# Altium PCB openmv-ae3.PcbDoc (part 1 of 3)
Units mil, origin at the board's own origin, x right, y up, seen from the top; angles counter-clockwise.
Board outline 1000 x 1000 mil, 10 copper layers (Top, 2-GND, 3-H, L4-V, L5-H, L6-V, L7-PWR, L8-SIG, L9-GND, Bottom), stack 47.481 mil thick; 230 components, 156 nets, 939 pads, 483 vias.
Unrouted connection lines stored in the file: 1.
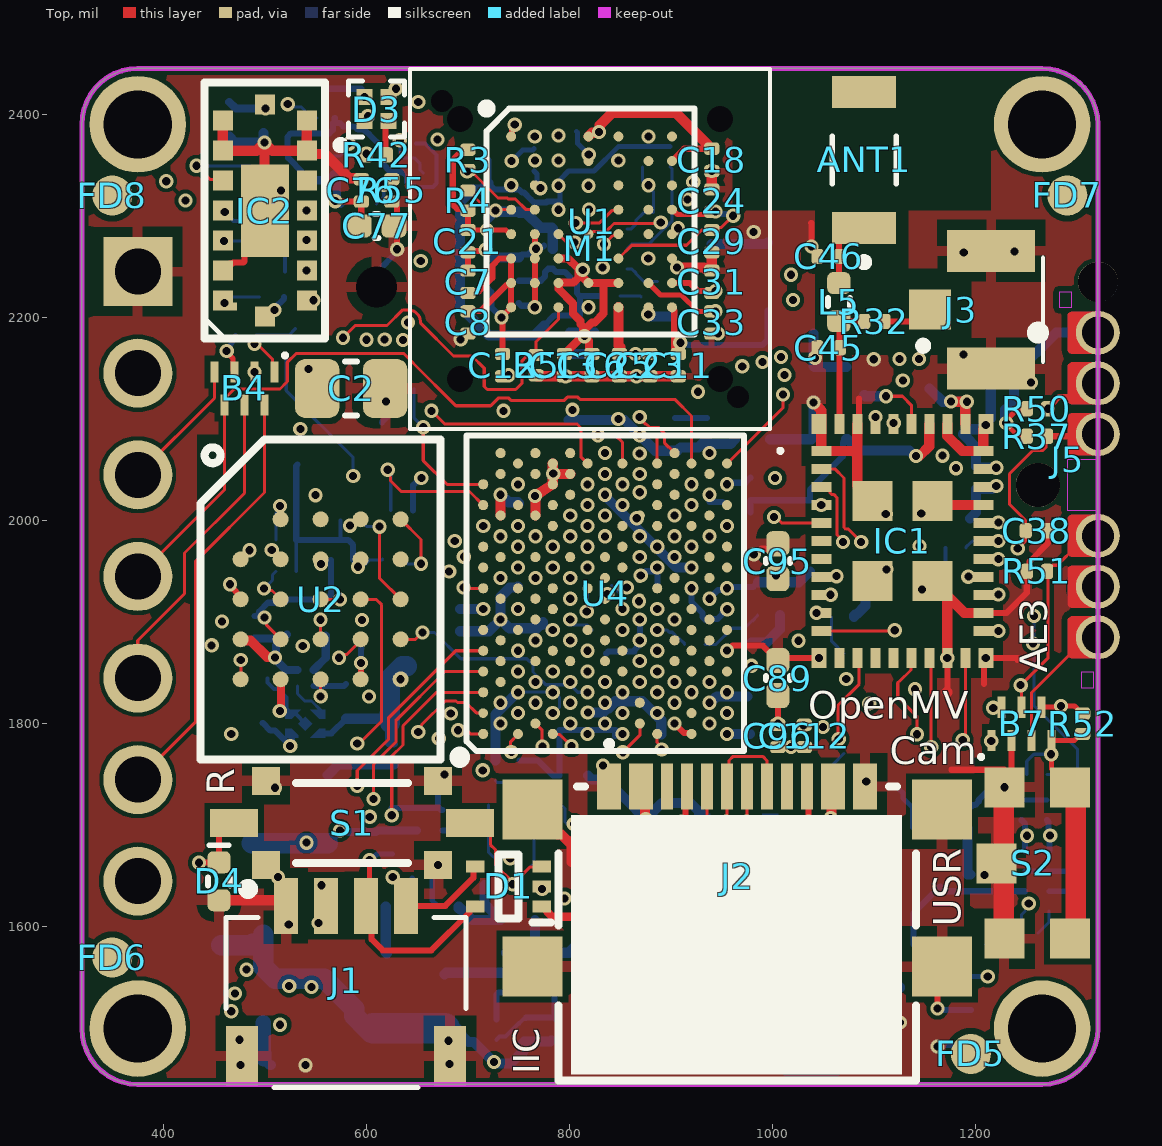
[diagram p0: Top view]
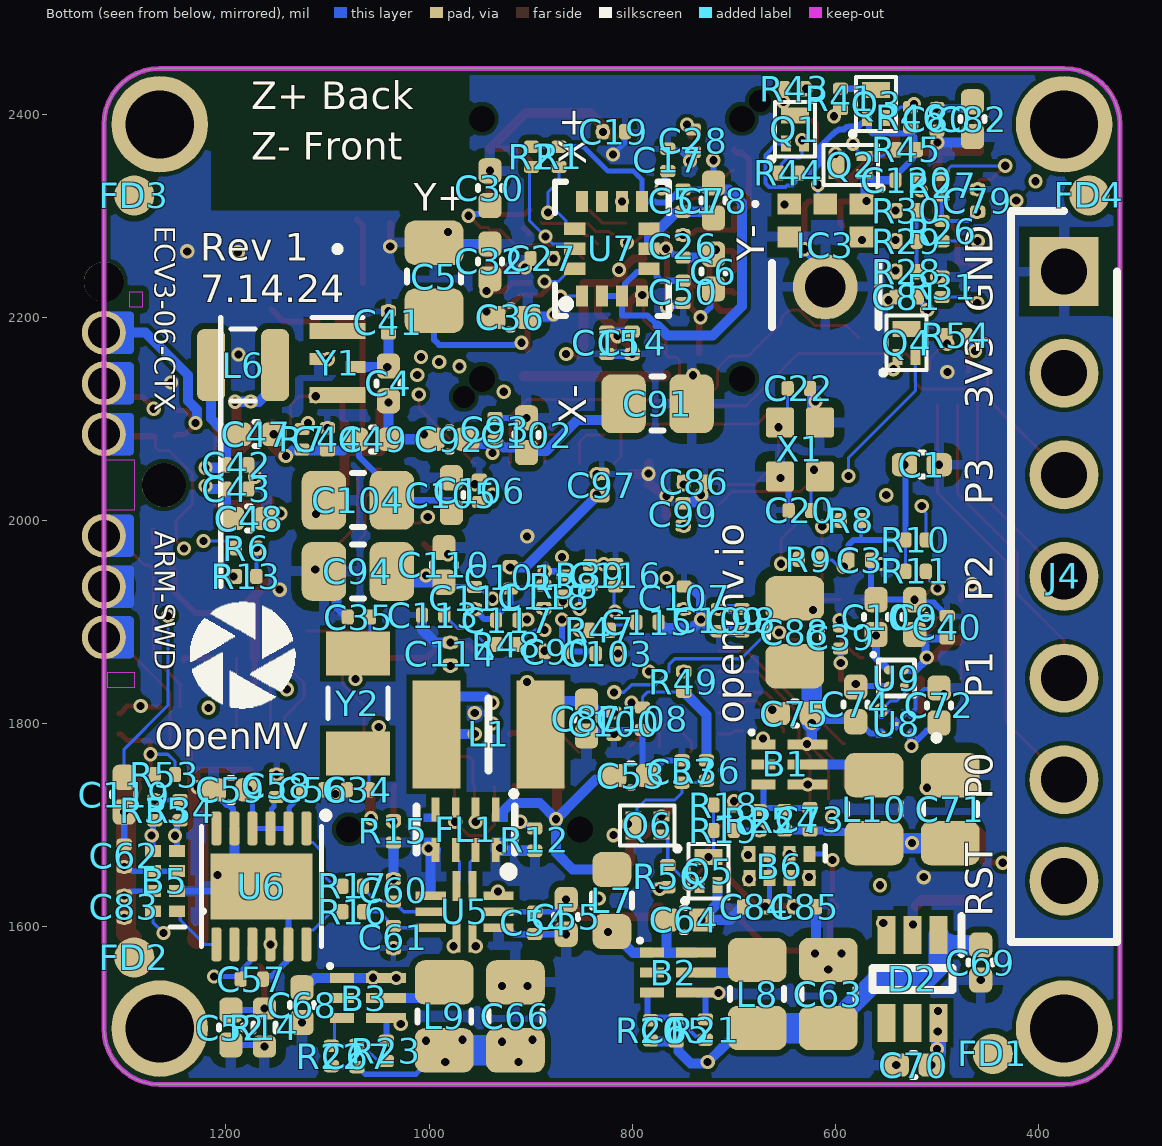
[diagram p1: Bottom view, seen from below]
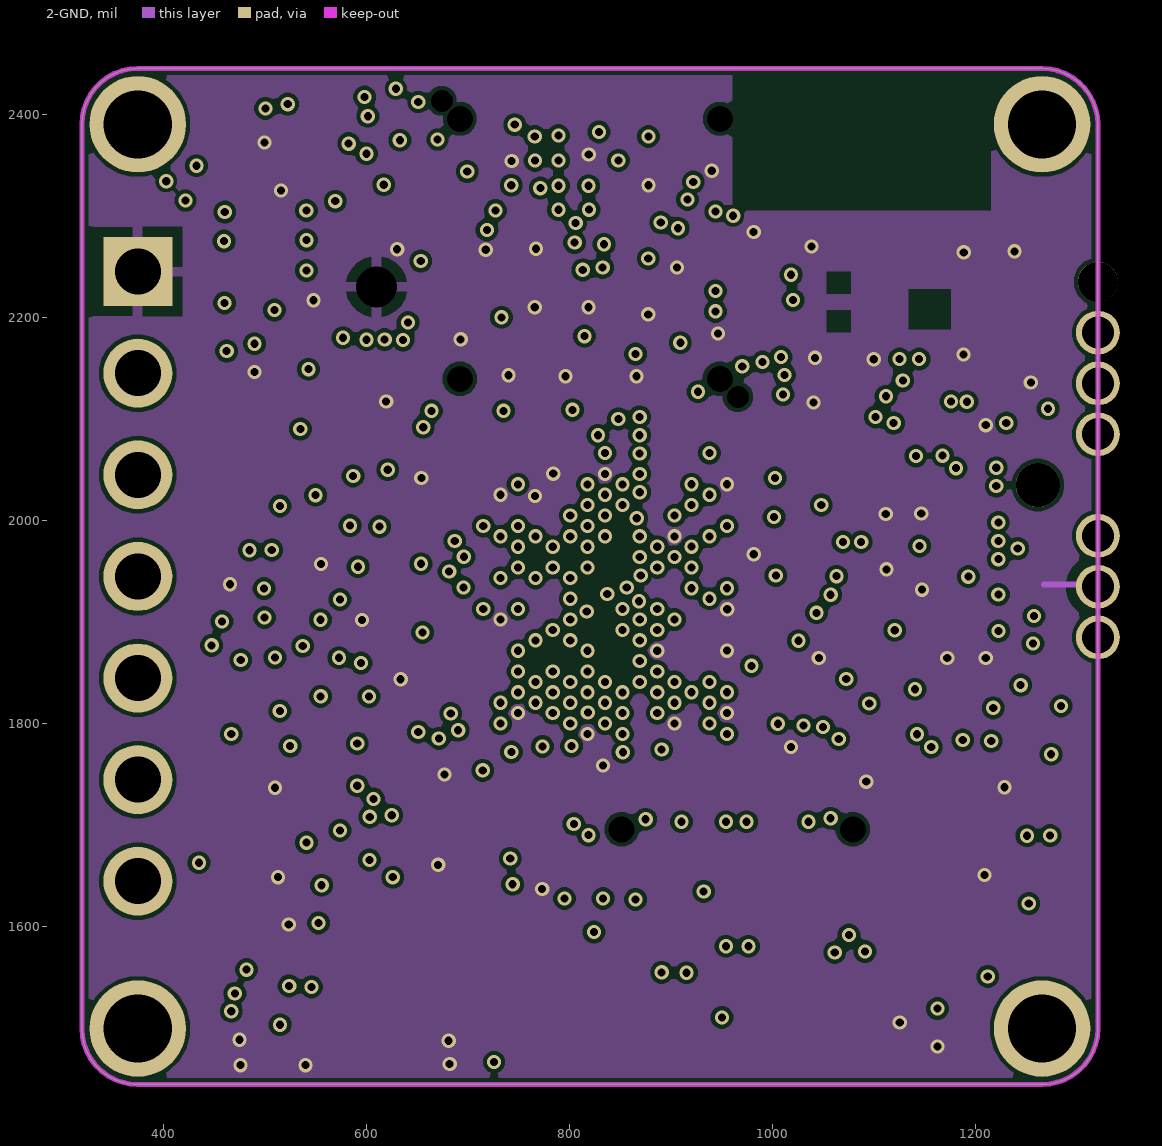
[diagram p2: 2-GND]
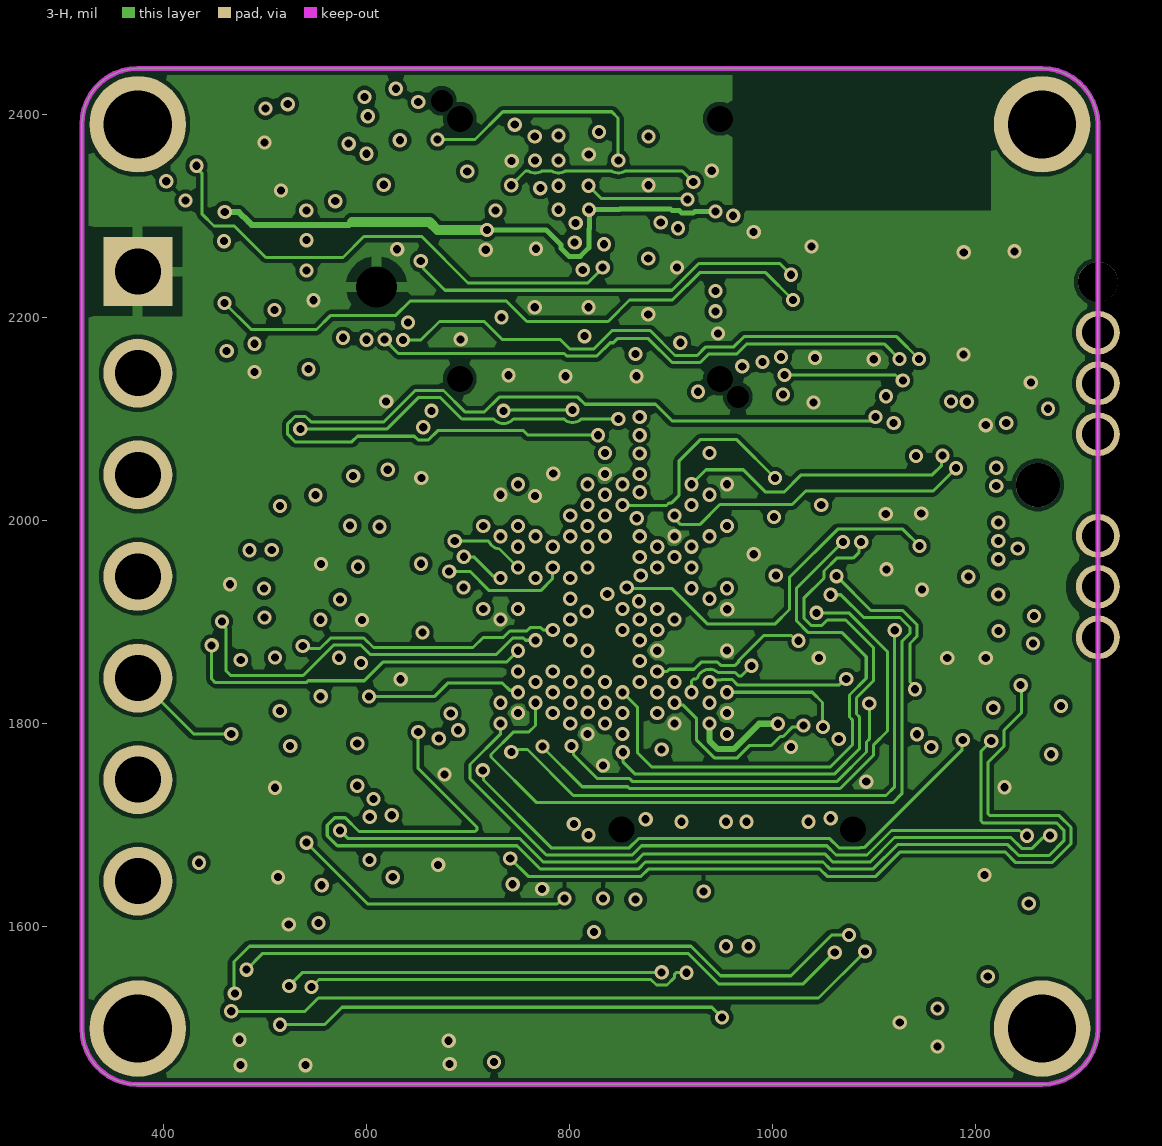
[diagram p3: 3-H]
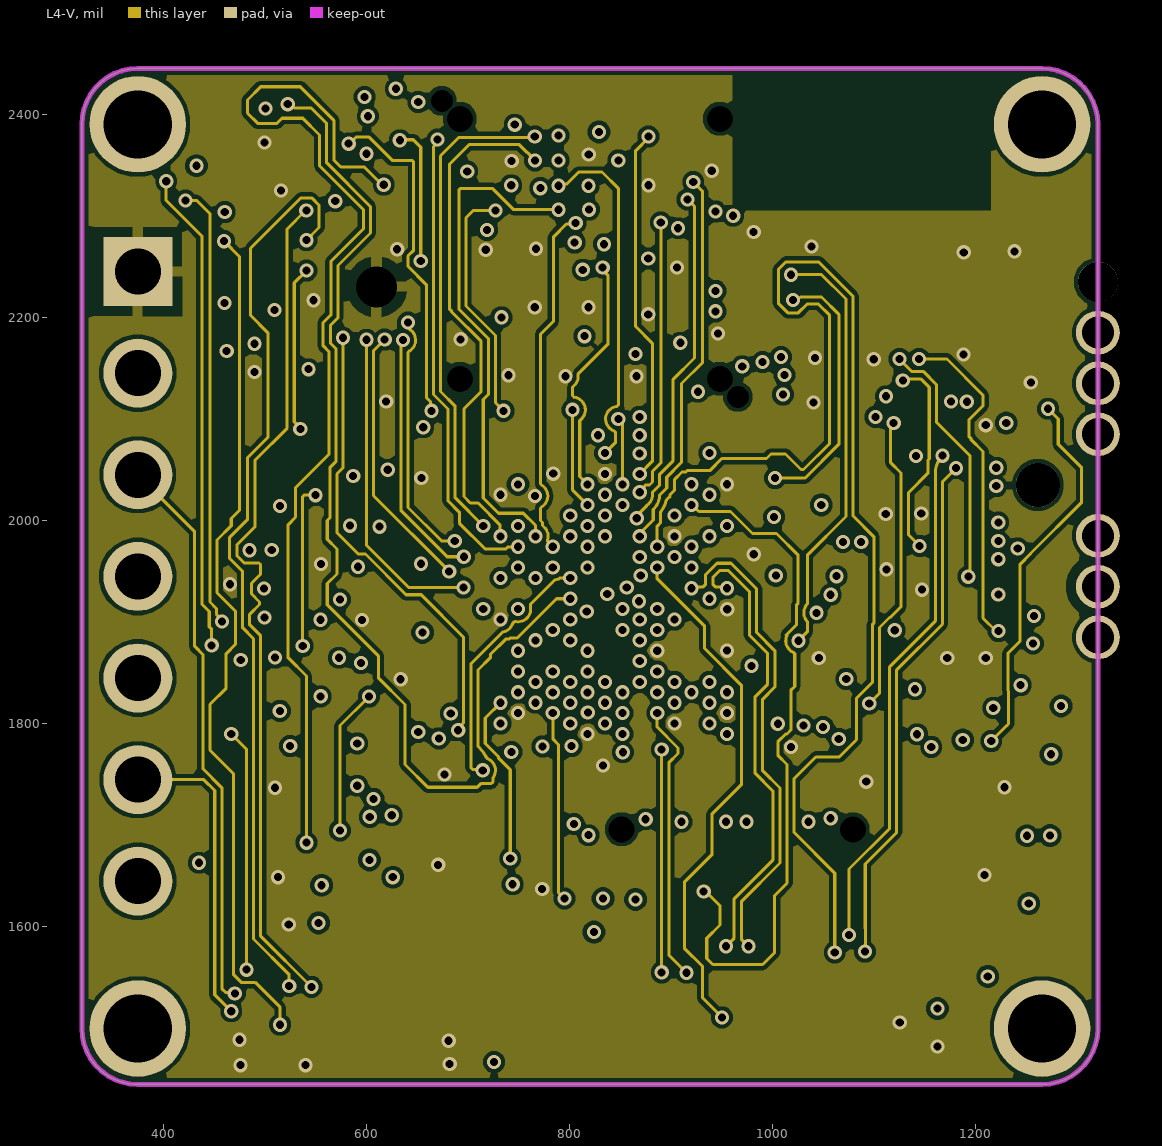
[diagram p4: L4-V]
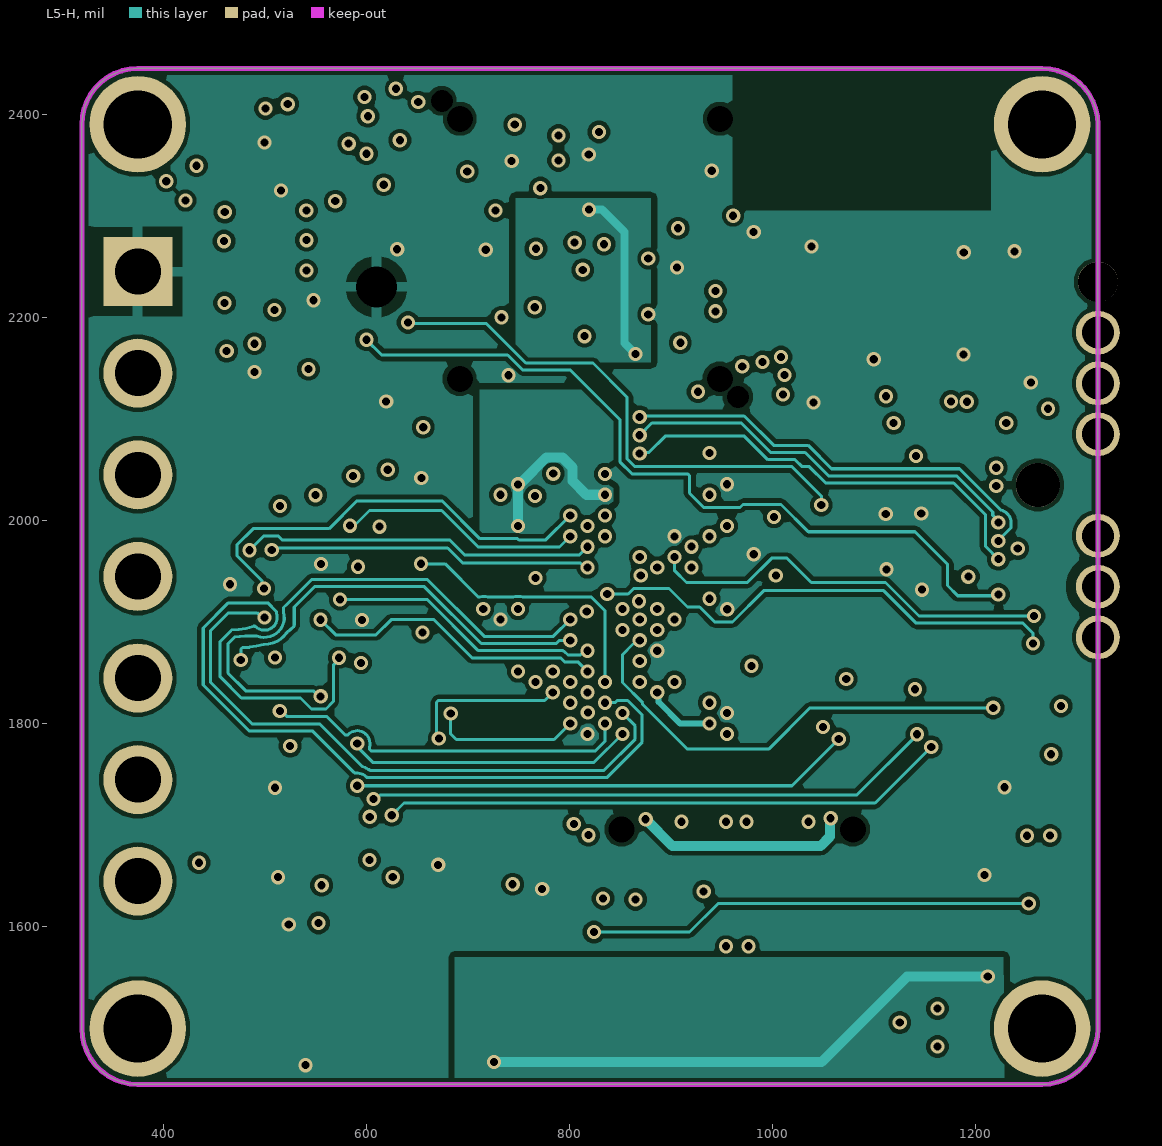
[diagram p5: L5-H]
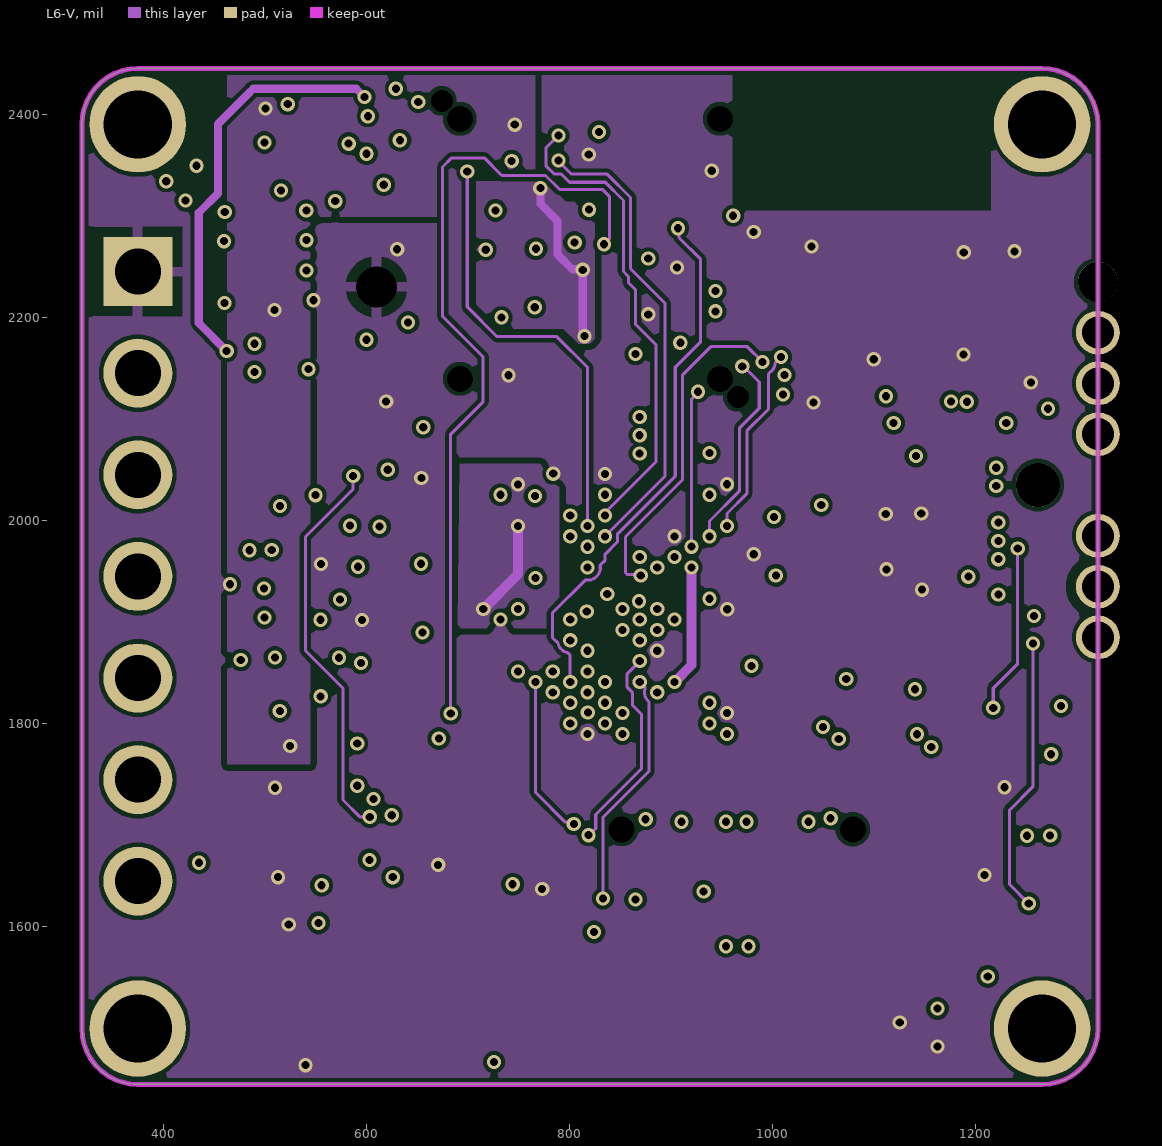
[diagram p6: L6-V]
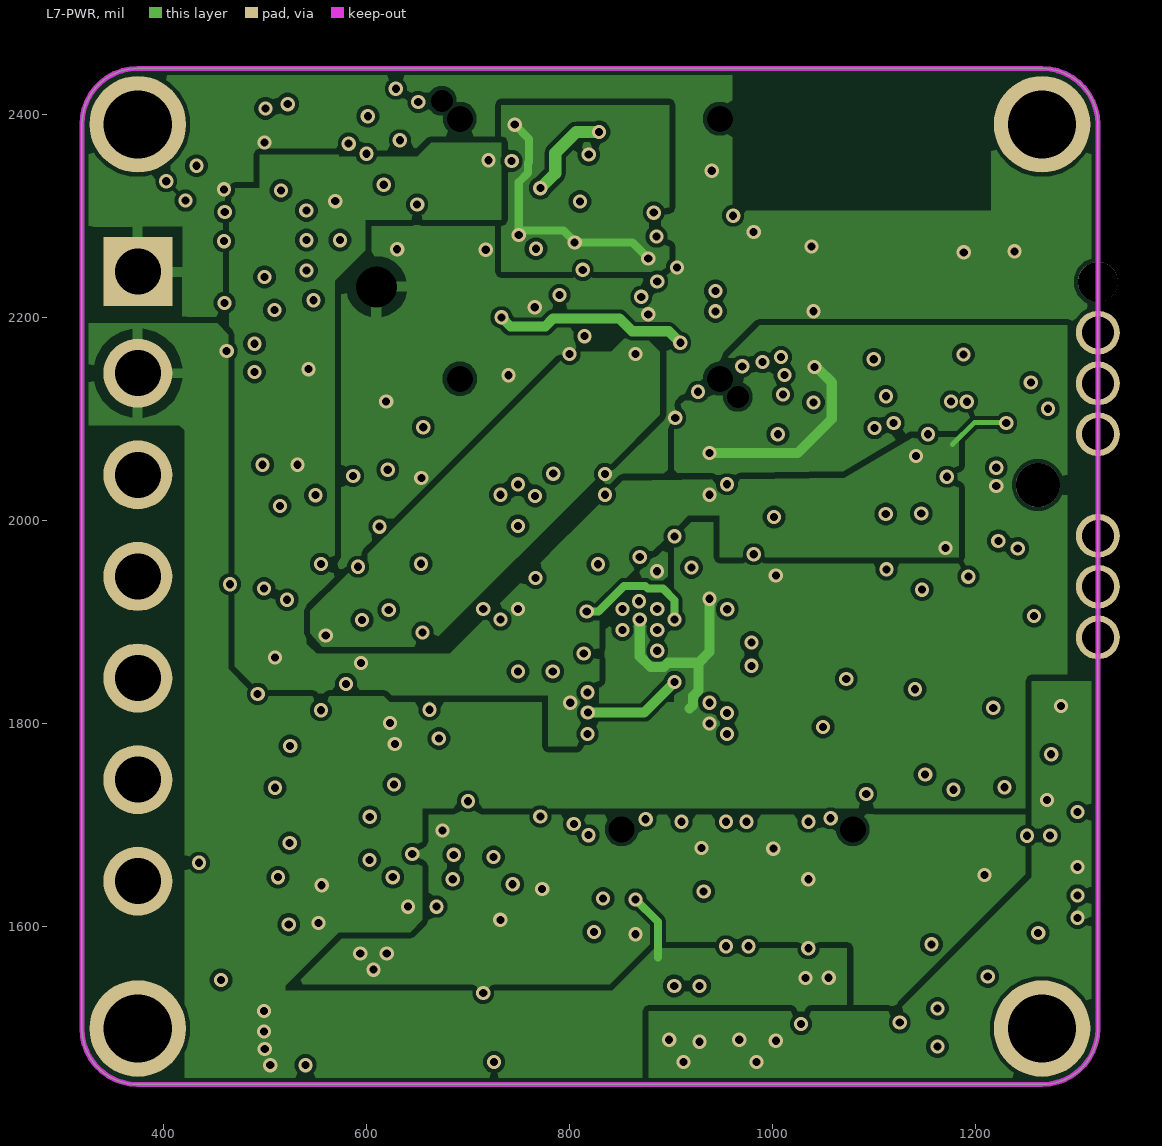
[diagram p7: L7-PWR]
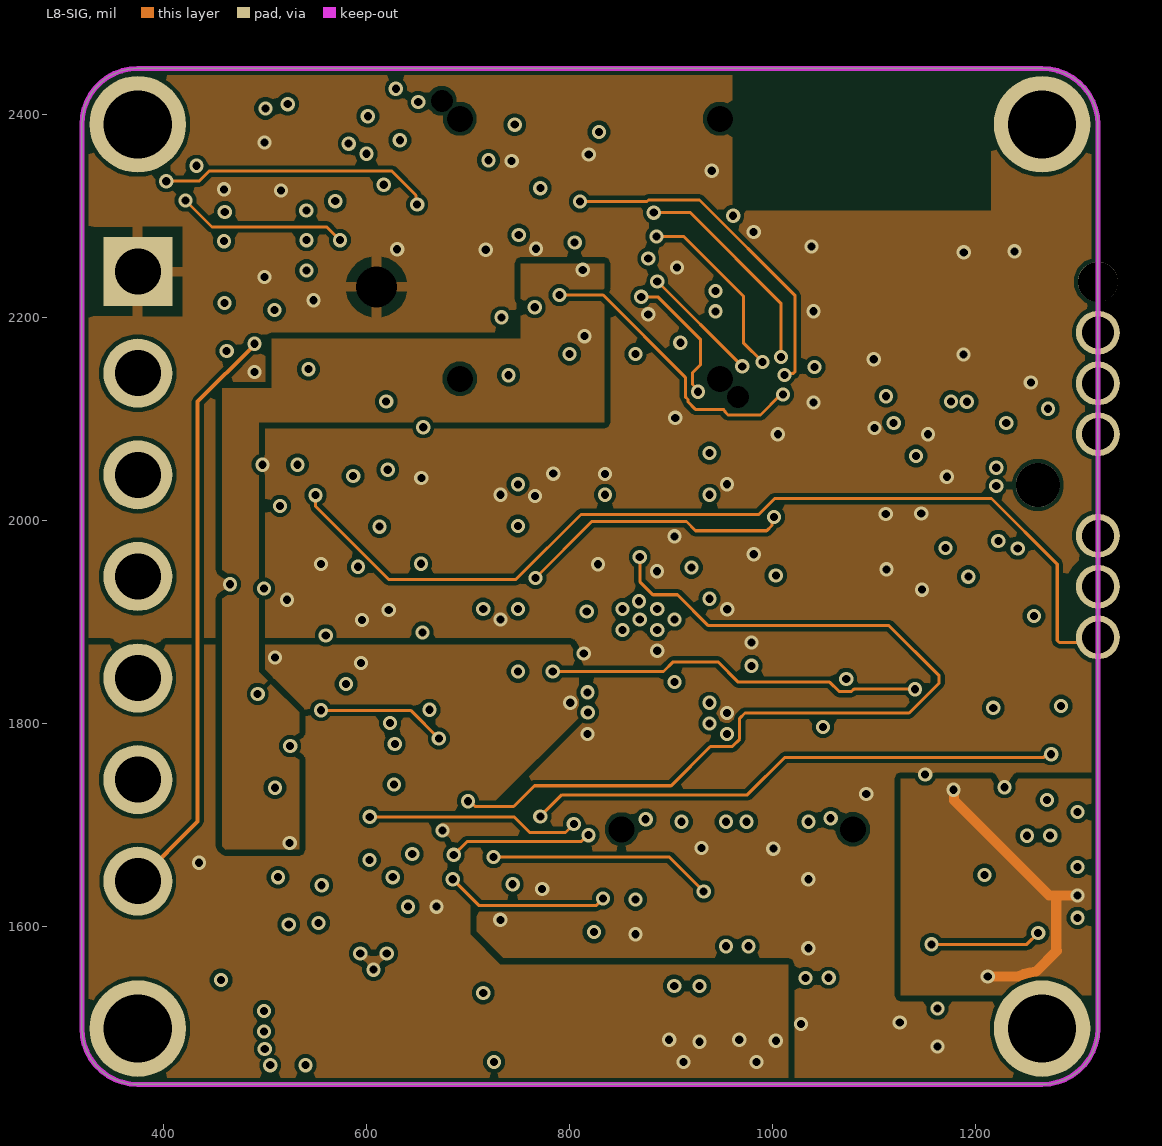
[diagram p8: L8-SIG]
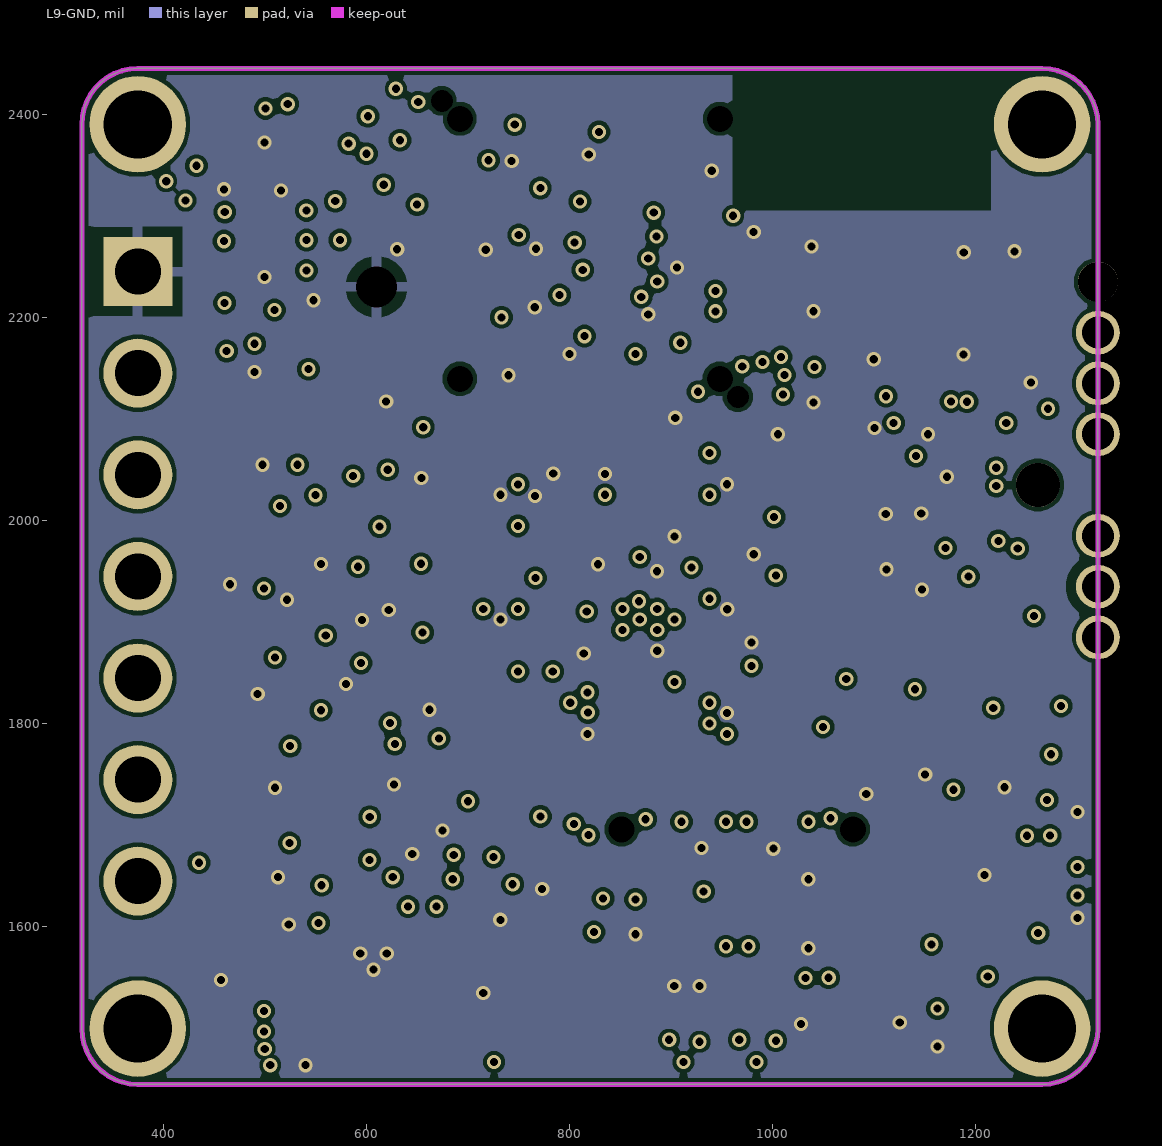
[diagram p9: L9-GND]

## Layer stack, top to bottom
Top Solder: solder mask 0.4, Solder Resist, Dk 3.5
Top: signal copper 1.378
Dielectric 1: prepreg 2.7953, PP-006, Dk 4.1
2-GND: signal copper 1.378
Dielectric 2: prepreg 2.7953, PP-006, Dk 4.1
3-H: signal copper 1.378
Dielectric 3: prepreg 2.7953, PP-006, Dk 4.1
L4-V: signal copper 1.378
Dielectric 4: prepreg 5.5118, PP-006, Dk 4.1
L5-H: signal copper 1.378
Dielectric 5: dielectric 5.9055, FR-4, Dk 4.8
L6-V: signal copper 1.378
Dielectric 6: prepreg 5.5118, PP-006, Dk 4.1
L7-PWR: signal copper 1.378
Dielectric 7: prepreg 2.7953, PP-006, Dk 4.1
L8-SIG: signal copper 1.378
Dielectric 8: prepreg 2.7953, PP-006, Dk 4.1
L9-GND: signal copper 1.378
Dielectric 9: prepreg 2.7953, PP-006, Dk 4.1
Bottom: signal copper 1.378
Bottom Solder: solder mask 0.4, Solder Resist, Dk 3.5

## Board outline
320,1500 320,2390 cw(c375,2390) 375,2445 1265,2445 cw(c1265,2390) 1320,2390 1320,1500 cw(c1265,1500) 1265,1445 375,1445 cw(c375,1500)

## Design rules (kind name [scope] priority, off if disabled: settings)
BoardOutlineClearance mdCopperDimension [All] p1: gap=5 ignorepadtopadclearanceinfootprint=FALSE
Clearance [All] p1: gap=4 ignorepadtopadclearanceinfootprint=FALSE except(6: SMDPad-Fill SMDPad-Poly SMDPad-Region Fill-Fill Fill-Poly Fill-Region Poly-Poly Poly-Region Region-Region)
ComponentClearance [All] p1: gap=5 collisioncheckmode=3 verticalgap=10 showdistances=FALSE
DiffPairsRouting [All] p1: maxlimit=4 minlimit=4 mostfreqgap=4 toplayer_minwidth=3 toplayer_maxwidth=3 toplayer_prefwidth=3 midlayer1_minwidth=3 midlayer1_maxwidth=3 midlayer1_prefwidth=3 midlayer2_minwidth=3 midlayer2_maxwidth=3 midlayer2_prefwidth=3 midlayer3_minwidth=3 midlayer3_maxwidth=3 midlayer3_prefwidth=3 midlayer4_minwidth=3 midlayer4_maxwidth=3 midlayer4_prefwidth=3 midlayer5_minwidth=3 midlayer5_maxwidth=3 midlayer5_prefwidth=3 midlayer6_minwidth=3 midlayer6_maxwidth=3 midlayer6_prefwidth=3 midlayer7_minwidth=3 midlayer7_maxwidth=3 midlayer7_prefwidth=3 midlayer8_minwidth=3 midlayer8_maxwidth=3 midlayer8_prefwidth=3 bottomlayer_minwidth=3 bottomlayer_maxwidth=3 bottomlayer_prefwidth=3 maxuncoupledlength=500
HoleSize HoleSize_For_NetClass_signal [InNetClass('signal')] p1: absolutevalues=TRUE maxlimit=4 minlimit=4 maxpercent=80.000 minpercent=20.000
HoleSize HoleSize_For_NetClass_pwr [InNetClass('pwr')] p2: absolutevalues=TRUE maxlimit=4 minlimit=4 maxpercent=80.000 minpercent=20.000
HoleSize HoleSize_For_NetClass_gnd [InNetClass('gnd')] p3: absolutevalues=TRUE maxlimit=4 minlimit=4 maxpercent=80.000 minpercent=20.000
HoleSize [All] p4: absolutevalues=TRUE maxlimit=100000 minlimit=4 maxpercent=80.000 minpercent=20.000
HoleToHoleClearance mdDrill [All] p1: gap=3 allowstackedmicrovias=TRUE
MinimumSolderMaskSliver [All] p1 off: minsoldermaskwidth=10
PasteMaskExpansion Expansion_SMDPaste_OFF [InPadClass('SMDPaste_OFF')] p1: expansion=0
PasteMaskExpansion mlMinCreamFrame [All] p2: expansion=0
PolygonConnect PolygonConnect_1 [HasFootprint('C0201')] p1: thpad.connectstyle=Relief thpad.reliefconductorwidth=10 thpad.reliefentries=4 thpad.polygonreliefangle="90 Angle" thpad.airgapwidth=10 smdpad.connectstyle=Relief smdpad.reliefconductorwidth=6 smdpad.reliefentries=4 smdpad.polygonreliefangle="90 Angle" smdpad.airgapwidth=6 via.connectstyle=Direct via.reliefconductorwidth=10 via.reliefentries=4 via.polygonreliefangle="90 Angle" via.airgapwidth=10
PolygonConnect [All] p2: thpad.connectstyle=Relief thpad.reliefconductorwidth=10 thpad.reliefentries=4 thpad.polygonreliefangle="90 Angle" thpad.airgapwidth=10 smdpad.connectstyle=Relief smdpad.reliefconductorwidth=10 smdpad.reliefentries=4 smdpad.polygonreliefangle="90 Angle" smdpad.airgapwidth=10 via.connectstyle=Direct via.reliefconductorwidth=10 via.reliefentries=4 via.polygonreliefangle="90 Angle" via.airgapwidth=10
RoutingVias [All] p1: holewidth=8 width=14 viastyle="Through Hole" minholewidth=8 minwidth=14 maxholewidth=100 maxwidth=100
SolderMaskExpansion mlMinStopFrame [All] p1: expansion=2 istentingtop=FALSE
Width [All] p1: maxlimit=100 minlimit=3 preferedwidth=3
24 further rules are at their usual default settings.

## Classes and differential pairs
differential pair class USB: USB_D
component class tof: C79 C80 C81 C82 IC2 R26 R27 R28 R29 R30 R31
component class mic: C76 C77 C120 IC3 R55
component class regulators: B1 B2 B3 C9 C10 C63 C64 C65 C66 C67 C68 C69 C70 C71 C72 C73 C74 C75 D2 L8 L9 L10 R20 R21 R22 R23 R24 R25 U8 U9
component class imu: C50 C51 C78 R1 R2 U7
component class usb: B5 C52 C53 C54 C55 C56 C57 C58 C59 C60 C61 C62 C83 D4 FL1 J2 L7 Q5 Q6 R12 R14 R15 R16 R17 R18 R19 R56 S1 U5 U6
component class wifi-bt: ANT1 ANT? C4 C41 C42 C43 C44 C45 C46 C47 C48 C49 IC1 J3 L5 L6 R6 R7 R13 R32 Y1
component class processor: B4 B6 B7 C20 C22 C34 C35 C37 C38 C84 C85 C86 C87 C88 C89 C90 C91 C92 C93 C94 C95 C96 C97 C98 C99 C100 C101 C102 C103 C104 C105 C106 C107 C108 C109 C110 C111 C112 C113 C114 C115 C116 C117 C118 C119 D1 D3 FD1 FD2 FD3 FD4 FD5 FD6 FD7 FD8 J1 J4 J5 L1 Q1 Q2 Q3 Q4 R34 R35 R36 R37 R38 R39 R41 R42 R43 R44 R45 R46 R47 R48 R49 R50 R51 R52 R53 R54 S2 U4 X1 Y2
component class flash: C1 C2 C3 C39 C40 R8 R9 R10 R11 U2
component class camera: C5 C6 C7 C8 C11 C12 C13 C14 C15 C16 C17 C18 C19 C21 C23 C24 C25 C26 C27 C28 C29 C30 C31 C32 C33 C36 M1 R3 R4 R5 U1
differential pair USB_D: +USB_D_P -USB_D_N
differential pair D2: +D2_P -D2_N
differential pair D1: +D1_P -D1_N
differential pair BL_USB_D: +BL_USB_D_P -BL_USB_D_N
differential pair BL_USB_D_2: +BL_USB_D_2_P -BL_USB_D_2_N
